# KiCad board pcb-panel.kicad_pcb
title: 0xCB 1337; date: 2023-04-26; rev: 5.0; company: 0xCB; note: Conor Burns
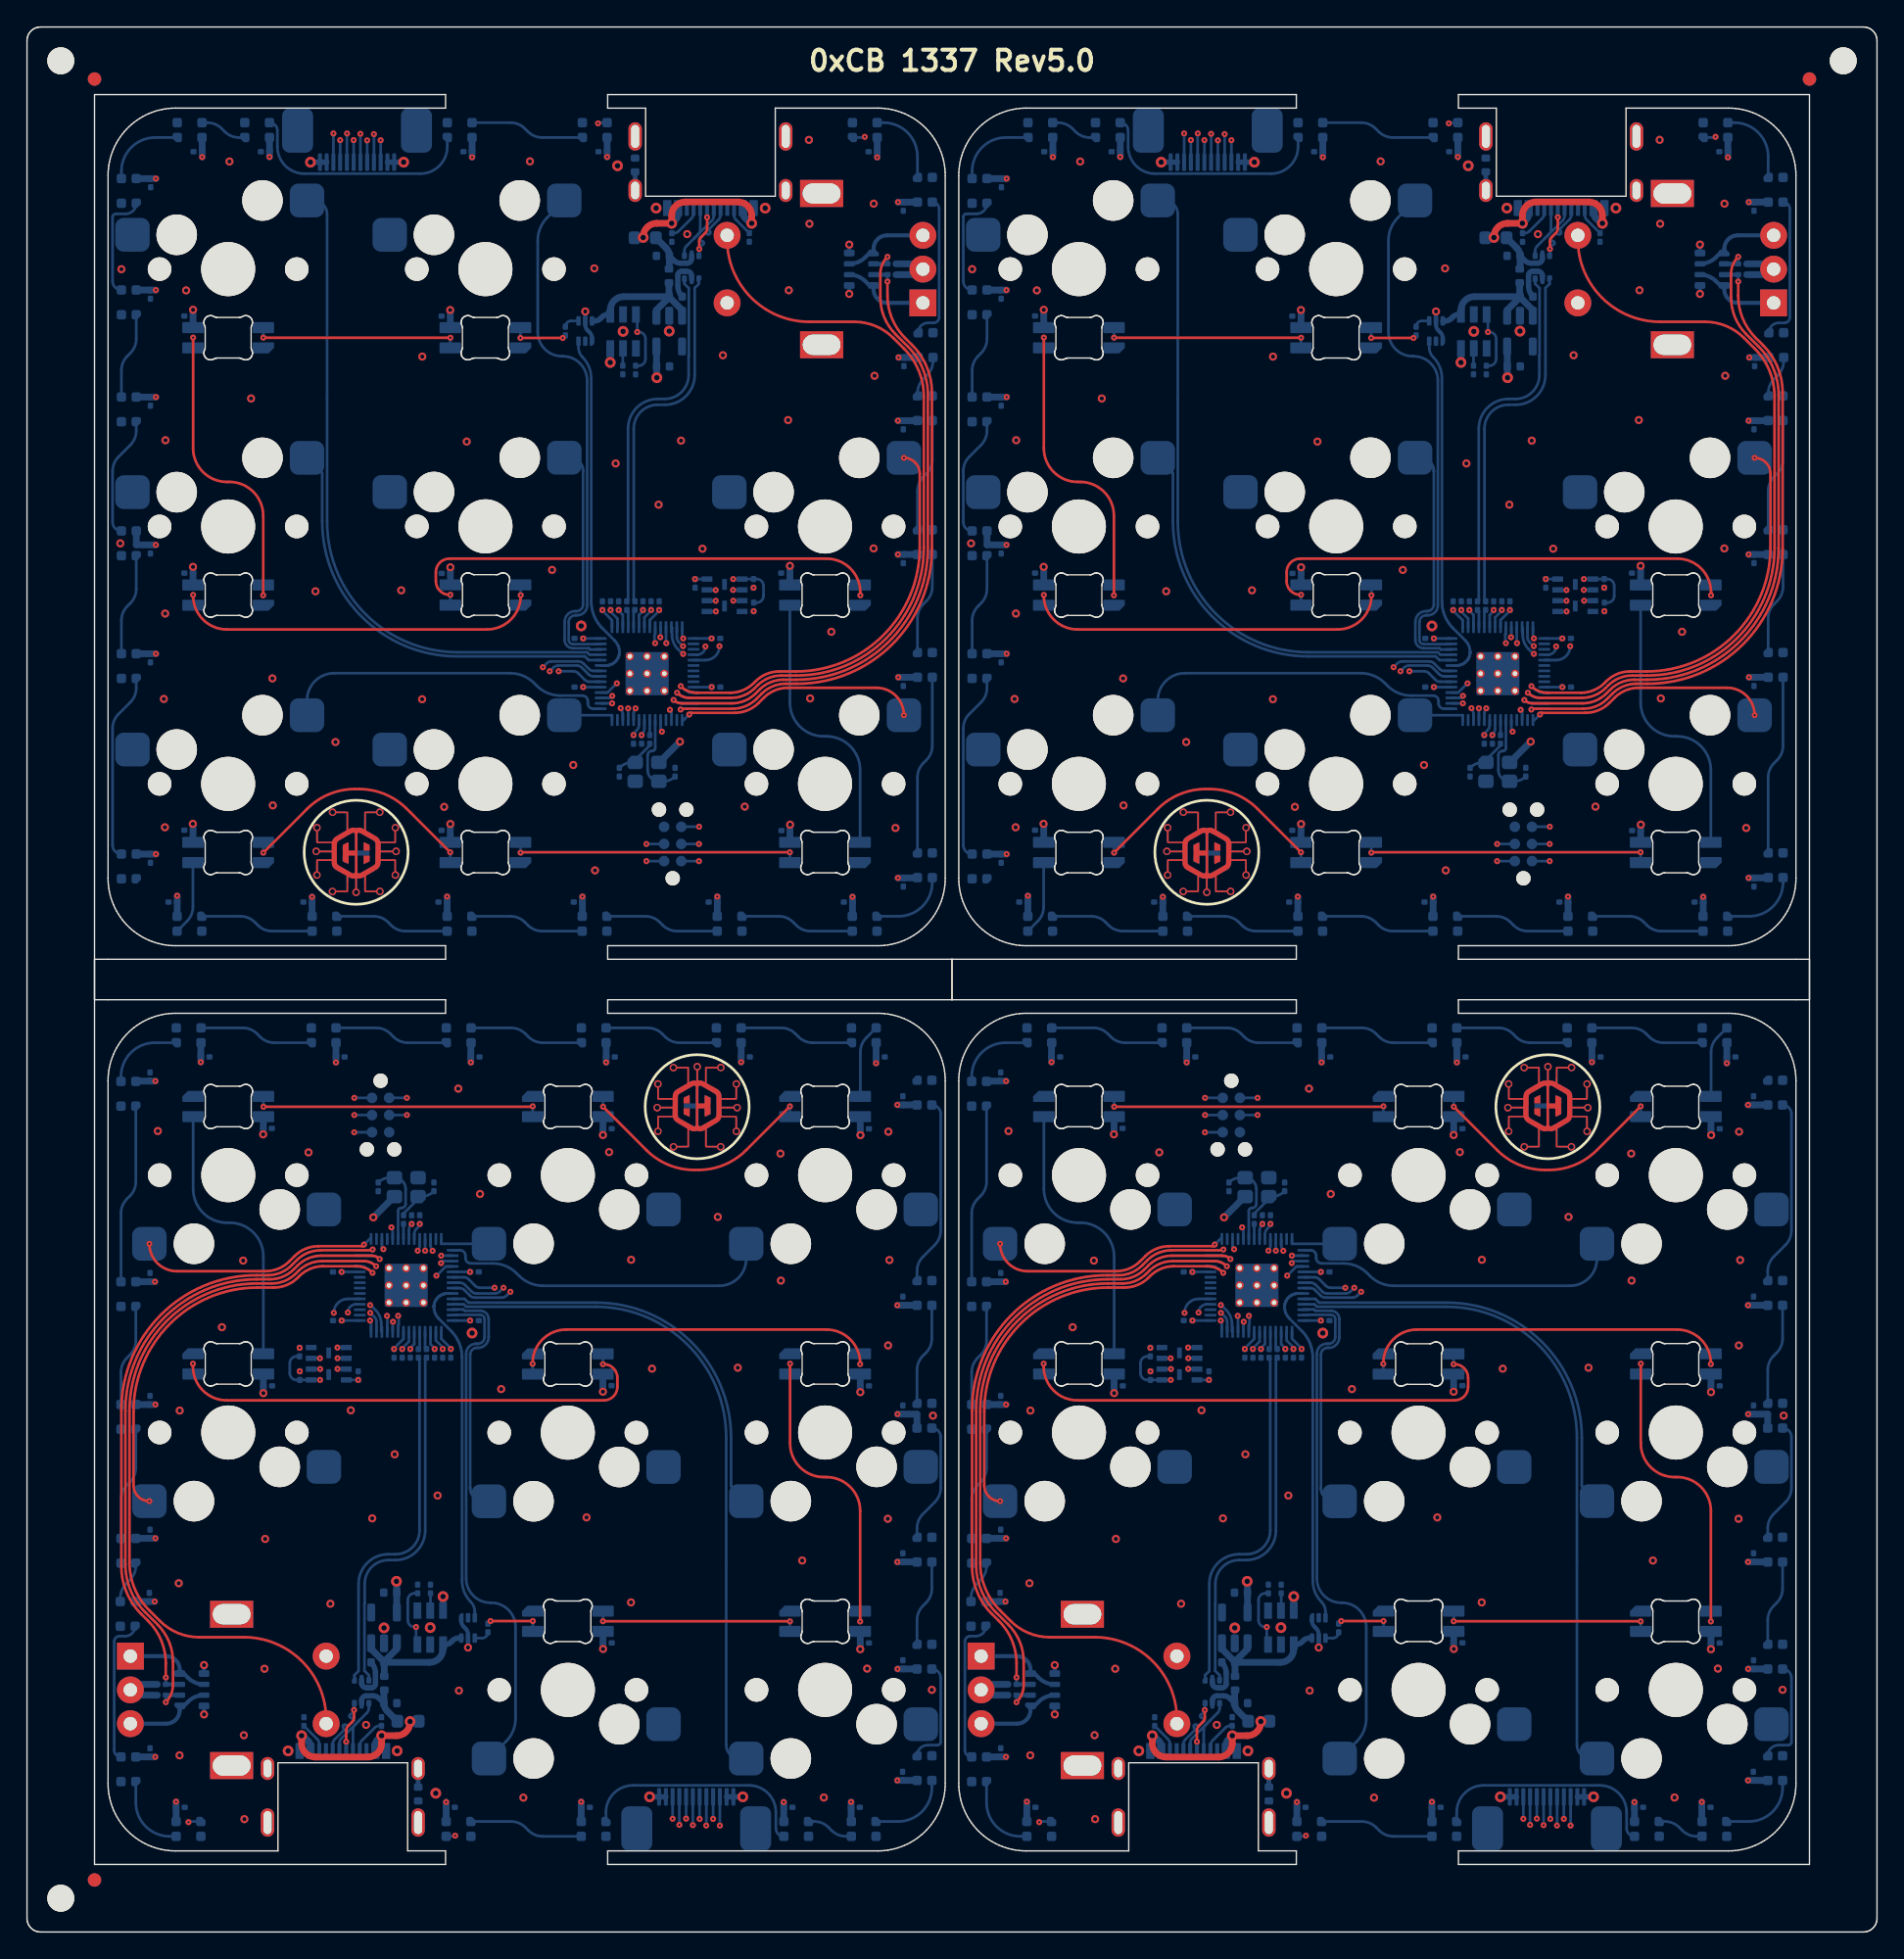
[diagram p0: board, top side]
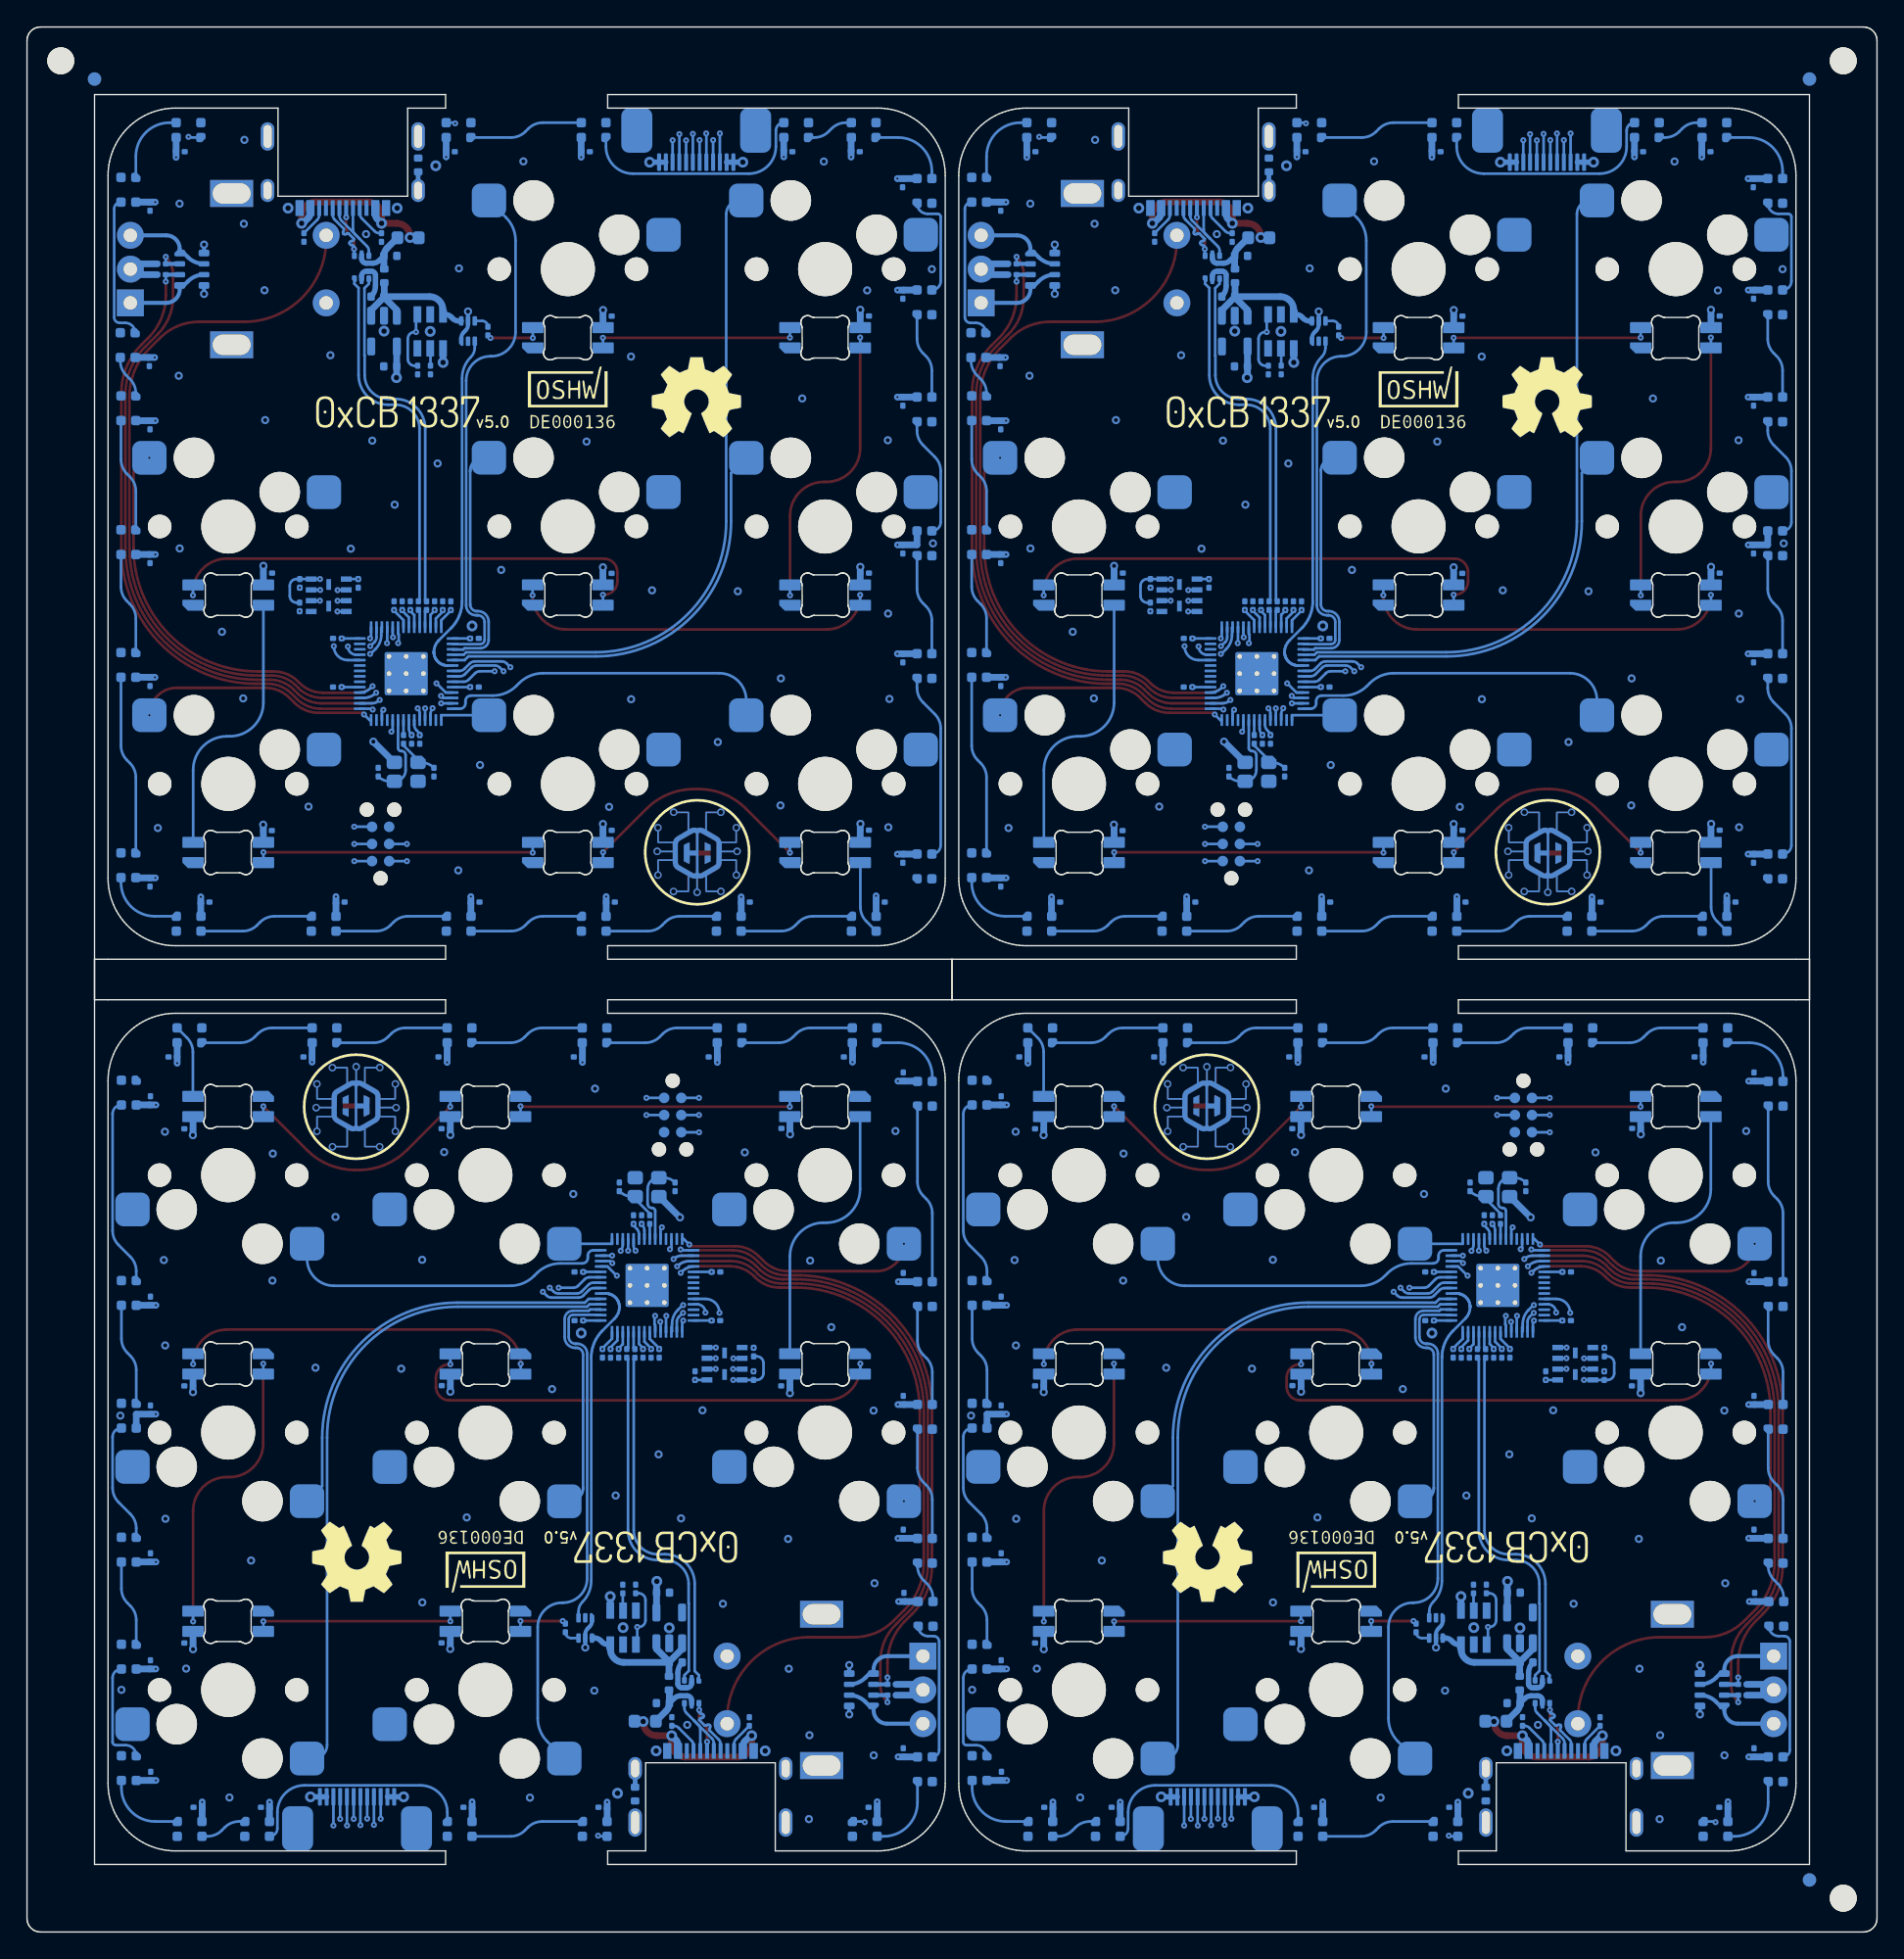
[diagram p1: board, bottom side, seen from below]

Outline 137 x 141 mm; copper layers: Top, In1.Cu, In2.Cu, Bottom. Coordinates in mm from the lower left corner of the outline.
Stack: Top 0.035mm / dielectric 0.2104mm 7628*1 er 4.5 / In1.Cu 0.0152mm / dielectric 1.065mm FR4 er 4.5 / In2.Cu 0.0152mm / dielectric 0.2104mm 7628*1 er 4.5 / Bottom 0.035mm

## Placement (name value [footprint] x y rotation side)
C1  100n  [C_0201_0603Metric]  62.64 131.77 180 bottom
C1#2  100n  [C_0201_0603Metric]  11.36 9.23 0 bottom
C1#3  100n  [C_0201_0603Metric]  125.64 131.77 180 bottom
C1#4  100n  [C_0201_0603Metric]  74.36 9.23 0 bottom
C2  100n  [C_0201_0603Metric]  42.64 131.77 180 bottom
C2#2  100n  [C_0201_0603Metric]  105.64 131.77 180 bottom
C2#3  100n  [C_0201_0603Metric]  31.36 9.23 0 bottom
C2#4  100n  [C_0201_0603Metric]  94.36 9.23 0 bottom
C3  100n  [C_0201_0603Metric]  95.64 131.77 180 bottom
C3#2  100n  [C_0201_0603Metric]  104.36 9.23 0 bottom
C3#3  100n  [C_0201_0603Metric]  41.36 9.23 0 bottom
C3#4  100n  [C_0201_0603Metric]  32.64 131.77 180 bottom
C4  100n  [C_0201_0603Metric]  17.64 131.77 180 bottom
C4#2  100n  [C_0201_0603Metric]  119.36 9.23 0 bottom
C4#3  100n  [C_0201_0603Metric]  80.64 131.77 180 bottom
C4#4  100n  [C_0201_0603Metric]  56.36 9.23 0 bottom
C5  100n  [C_0201_0603Metric]  61.35 9.23 0 bottom
C5#2  100n  [C_0201_0603Metric]  75.65 131.77 180 bottom
C5#3  100n  [C_0201_0603Metric]  124.35 9.23 0 bottom
C5#4  100n  [C_0201_0603Metric]  12.65 131.77 180 bottom
C6  100n  [C_0201_0603Metric]  9.16 129.46 270 bottom
C6#2  100n  [C_0201_0603Metric]  72.16 129.46 270 bottom
C6#3  100n  [C_0201_0603Metric]  127.84 11.54 90 bottom
C6#4  100n  [C_0201_0603Metric]  64.84 11.54 90 bottom
C7  100n  [C_0201_0603Metric]  72.96 17.53 180 bottom
C7#2  100n  [C_0201_0603Metric]  9.96 17.53 180 bottom
C7#3  100n  [C_0201_0603Metric]  127.04 123.47 0 bottom
C7#4  100n  [C_0201_0603Metric]  64.04 123.47 0 bottom
C8  100n  [C_0201_0603Metric]  9.96 18.33 180 bottom
C8#2  100n  [C_0201_0603Metric]  72.96 18.33 180 bottom
C8#3  100n  [C_0201_0603Metric]  64.04 122.67 0 bottom
C8#4  100n  [C_0201_0603Metric]  127.04 122.67 0 bottom
C9  100n  [C_0201_0603Metric]  64.89 127.72 270 bottom
C9#2  100n  [C_0201_0603Metric]  127.89 127.72 270 bottom
C9#3  100n  [C_0201_0603Metric]  9.11 13.28 90 bottom
C9#4  100n  [C_0201_0603Metric]  72.11 13.28 90 bottom
C10  10u  [C_0402_1005Metric]  47.09 124.06 180 bottom
C10#2  10u  [C_0402_1005Metric]  110.09 124.06 180 bottom
C10#3  10u  [C_0402_1005Metric]  26.91 16.94 0 bottom
C10#4  10u  [C_0402_1005Metric]  89.91 16.94 0 bottom
C11  10u  [C_0402_1005Metric]  25.96 19.95 180 bottom
C11#2  10u  [C_0402_1005Metric]  88.96 19.95 180 bottom
C11#3  10u  [C_0402_1005Metric]  111.04 121.05 0 bottom
C11#4  10u  [C_0402_1005Metric]  48.04 121.05 0 bottom
C12  100n  [C_0201_0603Metric]  105.98 21.4 0 bottom
C12#2  100n  [C_0201_0603Metric]  42.98 21.4 0 bottom
C12#3  100n  [C_0201_0603Metric]  31.02 119.6 180 bottom
C12#4  100n  [C_0201_0603Metric]  94.02 119.6 180 bottom
C13  100n  [C_0201_0603Metric]  11.97 119.61 180 bottom
C13#2  100n  [C_0201_0603Metric]  125.03 21.39 0 bottom
C13#3  100n  [C_0201_0603Metric]  74.97 119.61 180 bottom
C13#4  100n  [C_0201_0603Metric]  62.03 21.39 0 bottom
C14  100n  [C_0201_0603Metric]  72.14 121.21 270 bottom
C14#2  100n  [C_0201_0603Metric]  127.86 19.79 90 bottom
C14#3  100n  [C_0201_0603Metric]  64.86 19.79 90 bottom
C14#4  100n  [C_0201_0603Metric]  9.14 121.21 270 bottom
C15  100n  [C_0201_0603Metric]  127.94 116.22 270 bottom
C15#2  100n  [C_0201_0603Metric]  64.94 116.22 270 bottom
C15#3  100n  [C_0201_0603Metric]  72.06 24.78 90 bottom
C15#4  100n  [C_0201_0603Metric]  9.06 24.78 90 bottom
C16  100n  [C_0201_0603Metric]  64.89 111.54 270 bottom
C16#2  100n  [C_0201_0603Metric]  9.11 29.46 90 bottom
C16#3  100n  [C_0201_0603Metric]  127.89 111.54 270 bottom
C16#4  100n  [C_0201_0603Metric]  72.11 29.46 90 bottom
C17  10u  [C_0402_1005Metric]  47.1 115.88 0 bottom
C17#2  10u  [C_0402_1005Metric]  110.1 115.88 0 bottom
C17#3  10u  [C_0402_1005Metric]  26.9 25.12 180 bottom
C17#4  10u  [C_0402_1005Metric]  89.9 25.12 180 bottom
C18  100n  [C_0201_0603Metric]  9.14 113.29 270 bottom
C18#2  100n  [C_0201_0603Metric]  72.14 113.29 270 bottom
C18#3  100n  [C_0201_0603Metric]  64.86 27.71 90 bottom
C18#4  100n  [C_0201_0603Metric]  127.86 27.71 90 bottom
C19  100n  [C_0201_0603Metric]  127.89 101.64 270 bottom
C19#2  100n  [C_0201_0603Metric]  72.11 39.36 90 bottom
C19#3  100n  [C_0201_0603Metric]  9.11 39.36 90 bottom
C19#4  100n  [C_0201_0603Metric]  64.89 101.64 270 bottom
C20  100n  [C_0201_0603Metric]  80.83 40.42 0 bottom
C20#2  100n  [C_0201_0603Metric]  119.17 100.58 180 bottom
C20#3  100n  [C_0201_0603Metric]  17.83 40.42 0 bottom
C20#4  100n  [C_0201_0603Metric]  56.17 100.58 180 bottom
C21  100n  [C_0201_0603Metric]  109.22 98.17 90 bottom
C21#2  100n  [C_0201_0603Metric]  90.78 42.83 270 bottom
C21#3  100n  [C_0201_0603Metric]  27.78 42.83 270 bottom
C21#4  100n  [C_0201_0603Metric]  46.22 98.17 90 bottom
C22  1u  [C_0201_0603Metric]  43.82 98.17 270 bottom
C22#2  1u  [C_0201_0603Metric]  106.82 98.17 270 bottom
C22#3  1u  [C_0201_0603Metric]  30.18 42.83 90 bottom
C22#4  1u  [C_0201_0603Metric]  93.18 42.83 90 bottom
C23  100n  [C_0201_0603Metric]  45.62 98.17 90 bottom
C23#2  100n  [C_0201_0603Metric]  108.62 98.17 90 bottom
C23#3  100n  [C_0201_0603Metric]  28.38 42.83 270 bottom
C23#4  100n  [C_0201_0603Metric]  91.38 42.83 270 bottom
C24  100n  [C_0201_0603Metric]  49.47 99.82 270 bottom
C24#2  100n  [C_0201_0603Metric]  87.53 41.18 90 bottom
C24#3  100n  [C_0201_0603Metric]  112.47 99.82 270 bottom
C24#4  100n  [C_0201_0603Metric]  24.53 41.18 90 bottom
C25  100n  [C_0201_0603Metric]  46.82 98.17 90 bottom
C25#2  100n  [C_0201_0603Metric]  109.82 98.17 90 bottom
C25#3  100n  [C_0201_0603Metric]  27.18 42.83 270 bottom
C25#4  100n  [C_0201_0603Metric]  90.18 42.83 270 bottom
C26  1u  [C_0201_0603Metric]  93.78 42.83 90 bottom
C26#2  1u  [C_0201_0603Metric]  43.22 98.17 270 bottom
C26#3  1u  [C_0201_0603Metric]  106.22 98.17 270 bottom
C26#4  1u  [C_0201_0603Metric]  30.78 42.83 90 bottom
C27  100n  [C_0201_0603Metric]  42.62 98.17 90 bottom
C27#2  100n  [C_0201_0603Metric]  31.38 42.83 270 bottom
C27#3  100n  [C_0201_0603Metric]  94.38 42.83 270 bottom
C27#4  100n  [C_0201_0603Metric]  105.62 98.17 90 bottom
C28  100n  [C_0201_0603Metric]  94.03 100.56 180 bottom
C28#2  100n  [C_0201_0603Metric]  105.97 40.44 0 bottom
C28#3  100n  [C_0201_0603Metric]  42.97 40.44 0 bottom
C28#4  100n  [C_0201_0603Metric]  31.03 100.56 180 bottom
C29  100n  [C_0201_0603Metric]  11.97 100.58 180 bottom
C29#2  100n  [C_0201_0603Metric]  74.97 100.58 180 bottom
C29#3  100n  [C_0201_0603Metric]  125.03 40.42 0 bottom
C29#4  100n  [C_0201_0603Metric]  62.03 40.42 0 bottom
C30  100n  [C_0201_0603Metric]  127.86 38.65 90 bottom
C30#2  100n  [C_0201_0603Metric]  9.14 102.35 270 bottom
C30#3  100n  [C_0201_0603Metric]  72.14 102.35 270 bottom
C30#4  100n  [C_0201_0603Metric]  64.86 38.65 90 bottom
C31  100n  [C_0201_0603Metric]  127.89 92.54 270 bottom
C31#2  100n  [C_0201_0603Metric]  64.89 92.54 270 bottom
C31#3  100n  [C_0201_0603Metric]  72.11 48.46 90 bottom
C31#4  100n  [C_0201_0603Metric]  9.11 48.46 90 bottom
C32  100n  [C_0201_0603Metric]  51.02 92.15 0 bottom
C32#2  100n  [C_0201_0603Metric]  85.98 48.85 180 bottom
C32#3  100n  [C_0201_0603Metric]  114.02 92.15 0 bottom
C32#4  100n  [C_0201_0603Metric]  22.98 48.85 180 bottom
C33  100n  [C_0201_0603Metric]  51.02 95.75 0 bottom
C33#2  100n  [C_0201_0603Metric]  114.02 95.75 0 bottom
C33#3  100n  [C_0201_0603Metric]  22.98 45.25 180 bottom
C33#4  100n  [C_0201_0603Metric]  85.98 45.25 180 bottom
C34  100n  [C_0201_0603Metric]  40.87 95.75 180 bottom
C34#2  100n  [C_0201_0603Metric]  33.13 45.25 0 bottom
C34#3  100n  [C_0201_0603Metric]  103.87 95.75 180 bottom
C34#4  100n  [C_0201_0603Metric]  96.13 45.25 0 bottom
C35  100n  [C_0201_0603Metric]  96.13 48.85 0 bottom
C35#2  100n  [C_0201_0603Metric]  103.87 92.15 180 bottom
C35#3  100n  [C_0201_0603Metric]  33.13 48.85 0 bottom
C35#4  100n  [C_0201_0603Metric]  40.87 92.15 180 bottom
C36  100n  [C_0201_0603Metric]  127.86 46.71 90 bottom
C36#2  100n  [C_0201_0603Metric]  72.14 94.29 270 bottom
C36#3  100n  [C_0201_0603Metric]  9.14 94.29 270 bottom
C36#4  100n  [C_0201_0603Metric]  64.86 46.71 90 bottom
C37  15p  [C_0201_0603Metric]  89.01 55.15 90 bottom
C37#2  15p  [C_0201_0603Metric]  47.99 85.85 270 bottom
C37#3  15p  [C_0201_0603Metric]  110.99 85.85 270 bottom
C37#4  15p  [C_0201_0603Metric]  26.01 55.15 90 bottom
C38  100n  [C_0201_0603Metric]  28.48 52.73 90 bottom
C38#2  100n  [C_0201_0603Metric]  91.48 52.73 90 bottom
C38#3  100n  [C_0201_0603Metric]  108.52 88.27 270 bottom
C38#4  100n  [C_0201_0603Metric]  45.52 88.27 270 bottom
C39  100n  [C_0201_0603Metric]  107.92 88.27 270 bottom
C39#2  100n  [C_0201_0603Metric]  29.08 52.73 90 bottom
C39#3  100n  [C_0201_0603Metric]  92.08 52.73 90 bottom
C39#4  100n  [C_0201_0603Metric]  44.92 88.27 270 bottom
C40  15p  [C_0201_0603Metric]  43.87 85.85 90 bottom
C40#2  15p  [C_0201_0603Metric]  106.87 85.85 90 bottom
C40#3  15p  [C_0201_0603Metric]  30.13 55.15 270 bottom
C40#4  15p  [C_0201_0603Metric]  93.13 55.15 270 bottom
C41  100n  [C_0201_0603Metric]  56.19 81.52 180 bottom
C41#2  100n  [C_0201_0603Metric]  119.19 81.52 180 bottom
C41#3  100n  [C_0201_0603Metric]  17.81 59.48 0 bottom
C41#4  100n  [C_0201_0603Metric]  80.81 59.48 0 bottom
C42  100n  [C_0201_0603Metric]  31.02 81.54 180 bottom
C42#2  100n  [C_0201_0603Metric]  94.02 81.54 180 bottom
C42#3  100n  [C_0201_0603Metric]  42.98 59.46 0 bottom
C42#4  100n  [C_0201_0603Metric]  105.98 59.46 0 bottom
C43  100n  [C_0201_0603Metric]  125.03 59.45 0 bottom
C43#2  100n  [C_0201_0603Metric]  62.03 59.45 0 bottom
C43#3  100n  [C_0201_0603Metric]  74.97 81.55 180 bottom
C43#4  100n  [C_0201_0603Metric]  11.97 81.55 180 bottom
C44  100n  [C_0201_0603Metric]  127.86 61.54 90 bottom
C44#2  100n  [C_0201_0603Metric]  64.86 61.54 90 bottom
C44#3  100n  [C_0201_0603Metric]  9.14 79.46 270 bottom
C44#4  100n  [C_0201_0603Metric]  72.14 79.46 270 bottom
C45  100n  [C_0201_0603Metric]  64.89 77.7 270 bottom
C45#2  100n  [C_0201_0603Metric]  127.89 77.7 270 bottom
C45#3  100n  [C_0201_0603Metric]  9.11 63.3 90 bottom
C45#4  100n  [C_0201_0603Metric]  72.11 63.3 90 bottom
C46  100n  [C_0201_0603Metric]  76.19 64.77 0 bottom
C46#2  100n  [C_0201_0603Metric]  60.81 76.23 180 bottom
C46#3  100n  [C_0201_0603Metric]  123.81 76.23 180 bottom
C46#4  100n  [C_0201_0603Metric]  13.19 64.77 0 bottom
C47  100n  [C_0201_0603Metric]  23.2 64.77 0 bottom
C47#2  100n  [C_0201_0603Metric]  113.8 76.23 180 bottom
C47#3  100n  [C_0201_0603Metric]  50.8 76.23 180 bottom
C47#4  100n  [C_0201_0603Metric]  86.2 64.77 0 bottom
C48  100n  [C_0201_0603Metric]  40.81 76.23 180 bottom
C48#2  100n  [C_0201_0603Metric]  103.81 76.23 180 bottom
C48#3  100n  [C_0201_0603Metric]  33.19 64.77 0 bottom
C48#4  100n  [C_0201_0603Metric]  96.19 64.77 0 bottom
C49  100n  [C_0201_0603Metric]  106.21 64.77 0 bottom
C49#2  100n  [C_0201_0603Metric]  93.79 76.23 180 bottom
C49#3  100n  [C_0201_0603Metric]  43.21 64.77 0 bottom
C49#4  100n  [C_0201_0603Metric]  30.79 76.23 180 bottom
C50  100n  [C_0201_0603Metric]  116.21 64.77 0 bottom
C50#2  100n  [C_0201_0603Metric]  20.79 76.23 180 bottom
C50#3  100n  [C_0201_0603Metric]  83.79 76.23 180 bottom
C50#4  100n  [C_0201_0603Metric]  53.21 64.77 0 bottom
C51  100n  [C_0201_0603Metric]  10.8 76.23 180 bottom
C51#2  100n  [C_0201_0603Metric]  73.8 76.23 180 bottom
C51#3  100n  [C_0201_0603Metric]  63.2 64.77 0 bottom
C51#4  100n  [C_0201_0603Metric]  126.2 64.77 0 bottom
D1  SK6812MINI-E  [MX_SK6812MINI-E]  14.9 123.08 180 bottom
D1#2  SK6812MINI-E  [MX_SK6812MINI-E]  77.9 123.08 180 bottom
D1#3  SK6812MINI-E  [MX_SK6812MINI-E]  59.1 17.92 0 bottom
D1#4  SK6812MINI-E  [MX_SK6812MINI-E]  122.1 17.92 0 bottom
D2  SK6812MINI-E  [MX_SK6812MINI-E]  103.05 17.92 0 bottom
D2#2  SK6812MINI-E  [MX_SK6812MINI-E]  33.95 123.08 180 bottom
D2#3  SK6812MINI-E  [MX_SK6812MINI-E]  96.95 123.08 180 bottom
D2#4  SK6812MINI-E  [MX_SK6812MINI-E]  40.05 17.92 0 bottom
D3  SK6812MINI-E  [MX_SK6812MINI-E]  14.9 104.03 180 bottom
D3#2  SK6812MINI-E  [MX_SK6812MINI-E]  59.1 36.97 0 bottom
D3#3  SK6812MINI-E  [MX_SK6812MINI-E]  77.9 104.03 180 bottom
D3#4  SK6812MINI-E  [MX_SK6812MINI-E]  122.1 36.97 0 bottom
D4  SK6812MINI-E  [MX_SK6812MINI-E]  33.95 104.04 180 bottom
D4#2  SK6812MINI-E  [MX_SK6812MINI-E]  96.95 104.04 180 bottom
D4#3  SK6812MINI-E  [MX_SK6812MINI-E]  40.05 36.96 0 bottom
D4#4  SK6812MINI-E  [MX_SK6812MINI-E]  103.05 36.96 0 bottom
D5  SK6812MINI-E  [MX_SK6812MINI-E]  14.9 36.97 0 bottom
D5#2  SK6812MINI-E  [MX_SK6812MINI-E]  77.9 36.97 0 bottom
D5#3  SK6812MINI-E  [MX_SK6812MINI-E]  122.1 104.03 180 bottom
D5#4  SK6812MINI-E  [MX_SK6812MINI-E]  59.1 104.03 180 bottom
D6  SK6812MINI-E  [MX_SK6812MINI-E]  14.9 84.98 180 bottom
D6#2  SK6812MINI-E  [MX_SK6812MINI-E]  77.9 84.98 180 bottom
D6#3  SK6812MINI-E  [MX_SK6812MINI-E]  59.1 56.02 0 bottom
D6#4  SK6812MINI-E  [MX_SK6812MINI-E]  122.1 56.02 0 bottom
D7  SK6812MINI-E  [MX_SK6812MINI-E]  103.05 56.02 0 bottom
D7#2  SK6812MINI-E  [MX_SK6812MINI-E]  40.05 56.02 0 bottom
D7#3  SK6812MINI-E  [MX_SK6812MINI-E]  96.95 84.98 180 bottom
D7#4  SK6812MINI-E  [MX_SK6812MINI-E]  33.95 84.98 180 bottom
D8  SK6812MINI-E  [MX_SK6812MINI-E]  122.1 84.98 180 bottom
D8#2  SK6812MINI-E  [MX_SK6812MINI-E]  59.1 84.98 180 bottom
D8#3  SK6812MINI-E  [MX_SK6812MINI-E]  77.9 56.02 0 bottom
D8#4  SK6812MINI-E  [MX_SK6812MINI-E]  14.9 56.02 0 bottom
D9  WS2812B  [LED_WS2812B-2020_PLCC4_2.0x2.0mm]  125.04 133.37 0 bottom
D9#2  WS2812B  [LED_WS2812B-2020_PLCC4_2.0x2.0mm]  62.04 133.37 0 bottom
D9#3  WS2812B  [LED_WS2812B-2020_PLCC4_2.0x2.0mm]  11.96 7.63 180 bottom
D9#4  WS2812B  [LED_WS2812B-2020_PLCC4_2.0x2.0mm]  74.96 7.63 180 bottom
D10  WS2812B  [LED_WS2812B-2020_PLCC4_2.0x2.0mm]  42.04 133.37 0 bottom
D10#2  WS2812B  [LED_WS2812B-2020_PLCC4_2.0x2.0mm]  105.04 133.37 0 bottom
D10#3  WS2812B  [LED_WS2812B-2020_PLCC4_2.0x2.0mm]  31.96 7.63 180 bottom
D10#4  WS2812B  [LED_WS2812B-2020_PLCC4_2.0x2.0mm]  94.96 7.63 180 bottom
D11  WS2812B  [LED_WS2812B-2020_PLCC4_2.0x2.0mm]  95.04 133.37 0 bottom
D11#2  WS2812B  [LED_WS2812B-2020_PLCC4_2.0x2.0mm]  41.96 7.63 180 bottom
D11#3  WS2812B  [LED_WS2812B-2020_PLCC4_2.0x2.0mm]  32.04 133.37 0 bottom
D11#4  WS2812B  [LED_WS2812B-2020_PLCC4_2.0x2.0mm]  104.96 7.63 180 bottom
D12  WS2812B  [LED_WS2812B-2020_PLCC4_2.0x2.0mm]  17.04 133.37 0 bottom
D12#2  WS2812B  [LED_WS2812B-2020_PLCC4_2.0x2.0mm]  119.96 7.63 180 bottom
D12#3  WS2812B  [LED_WS2812B-2020_PLCC4_2.0x2.0mm]  80.04 133.37 0 bottom
D12#4  WS2812B  [LED_WS2812B-2020_PLCC4_2.0x2.0mm]  56.96 7.63 180 bottom
D13  WS2812B  [LED_WS2812B-2020_PLCC4_2.0x2.0mm]  75.04 133.37 0 bottom
D13#2  WS2812B  [LED_WS2812B-2020_PLCC4_2.0x2.0mm]  61.96 7.63 180 bottom
D13#3  WS2812B  [LED_WS2812B-2020_PLCC4_2.0x2.0mm]  12.04 133.37 0 bottom
D13#4  WS2812B  [LED_WS2812B-2020_PLCC4_2.0x2.0mm]  124.96 7.63 180 bottom
D14  WS2812B  [LED_WS2812B-2020_PLCC4_2.0x2.0mm]  70.51 12.04 90 bottom
D14#2  WS2812B  [LED_WS2812B-2020_PLCC4_2.0x2.0mm]  129.49 128.96 270 bottom
D14#3  WS2812B  [LED_WS2812B-2020_PLCC4_2.0x2.0mm]  7.51 12.04 90 bottom
D14#4  WS2812B  [LED_WS2812B-2020_PLCC4_2.0x2.0mm]  66.49 128.96 270 bottom
D15  WS2812B  [LED_WS2812B-2020_PLCC4_2.0x2.0mm]  129.46 12.13 270 bottom
D15#2  WS2812B  [LED_WS2812B-2020_PLCC4_2.0x2.0mm]  70.54 128.87 90 bottom
D15#3  WS2812B  [LED_WS2812B-2020_PLCC4_2.0x2.0mm]  7.54 128.87 90 bottom
D15#4  WS2812B  [LED_WS2812B-2020_PLCC4_2.0x2.0mm]  66.46 12.13 270 bottom
D16  WS2812B  [LED_WS2812B-2020_PLCC4_2.0x2.0mm]  129.54 117.46 270 bottom
D16#2  WS2812B  [LED_WS2812B-2020_PLCC4_2.0x2.0mm]  70.46 23.54 90 bottom
D16#3  WS2812B  [LED_WS2812B-2020_PLCC4_2.0x2.0mm]  7.46 23.54 90 bottom
D16#4  WS2812B  [LED_WS2812B-2020_PLCC4_2.0x2.0mm]  66.54 117.46 270 bottom
D17  WS2812B  [LED_WS2812B-2020_PLCC4_2.0x2.0mm]  7.54 120.62 90 bottom
D17#2  WS2812B  [LED_WS2812B-2020_PLCC4_2.0x2.0mm]  66.46 20.38 270 bottom
D17#3  WS2812B  [LED_WS2812B-2020_PLCC4_2.0x2.0mm]  129.46 20.38 270 bottom
D17#4  WS2812B  [LED_WS2812B-2020_PLCC4_2.0x2.0mm]  70.54 120.62 90 bottom
D18  WS2812B  [LED_WS2812B-2020_PLCC4_2.0x2.0mm]  70.51 28.21 90 bottom
D18#2  WS2812B  [LED_WS2812B-2020_PLCC4_2.0x2.0mm]  66.49 112.79 270 bottom
D18#3  WS2812B  [LED_WS2812B-2020_PLCC4_2.0x2.0mm]  129.49 112.79 270 bottom
D18#4  WS2812B  [LED_WS2812B-2020_PLCC4_2.0x2.0mm]  7.51 28.21 90 bottom
D19  WS2812B  [LED_WS2812B-2020_PLCC4_2.0x2.0mm]  66.46 28.3 270 bottom
D19#2  WS2812B  [LED_WS2812B-2020_PLCC4_2.0x2.0mm]  7.54 112.7 90 bottom
D19#3  WS2812B  [LED_WS2812B-2020_PLCC4_2.0x2.0mm]  129.46 28.3 270 bottom
D19#4  WS2812B  [LED_WS2812B-2020_PLCC4_2.0x2.0mm]  70.54 112.7 90 bottom
D20  WS2812B  [LED_WS2812B-2020_PLCC4_2.0x2.0mm]  7.51 38.13 90 bottom
D20#2  WS2812B  [LED_WS2812B-2020_PLCC4_2.0x2.0mm]  66.49 102.87 270 bottom
D20#3  WS2812B  [LED_WS2812B-2020_PLCC4_2.0x2.0mm]  129.49 102.87 270 bottom
D20#4  WS2812B  [LED_WS2812B-2020_PLCC4_2.0x2.0mm]  70.51 38.13 90 bottom
D21  WS2812B  [LED_WS2812B-2020_PLCC4_2.0x2.0mm]  7.54 102.79 90 bottom
D21#2  WS2812B  [LED_WS2812B-2020_PLCC4_2.0x2.0mm]  70.54 102.79 90 bottom
D21#3  WS2812B  [LED_WS2812B-2020_PLCC4_2.0x2.0mm]  66.46 38.21 270 bottom
D21#4  WS2812B  [LED_WS2812B-2020_PLCC4_2.0x2.0mm]  129.46 38.21 270 bottom
D22  WS2812B  [LED_WS2812B-2020_PLCC4_2.0x2.0mm]  129.49 93.79 270 bottom
D22#2  WS2812B  [LED_WS2812B-2020_PLCC4_2.0x2.0mm]  66.49 93.79 270 bottom
D22#3  WS2812B  [LED_WS2812B-2020_PLCC4_2.0x2.0mm]  70.51 47.21 90 bottom
D22#4  WS2812B  [LED_WS2812B-2020_PLCC4_2.0x2.0mm]  7.51 47.21 90 bottom
D23  WS2812B  [LED_WS2812B-2020_PLCC4_2.0x2.0mm]  7.54 93.7 90 bottom
D23#2  WS2812B  [LED_WS2812B-2020_PLCC4_2.0x2.0mm]  70.54 93.7 90 bottom
D23#3  WS2812B  [LED_WS2812B-2020_PLCC4_2.0x2.0mm]  66.46 47.3 270 bottom
D23#4  WS2812B  [LED_WS2812B-2020_PLCC4_2.0x2.0mm]  129.46 47.3 270 bottom
D24  WS2812B  [LED_WS2812B-2020_PLCC4_2.0x2.0mm]  66.49 78.96 270 bottom
D24#2  WS2812B  [LED_WS2812B-2020_PLCC4_2.0x2.0mm]  129.49 78.96 270 bottom
D24#3  WS2812B  [LED_WS2812B-2020_PLCC4_2.0x2.0mm]  7.51 62.04 90 bottom